# KiCad board amix 68k(r1).kicad_pcb (continued)
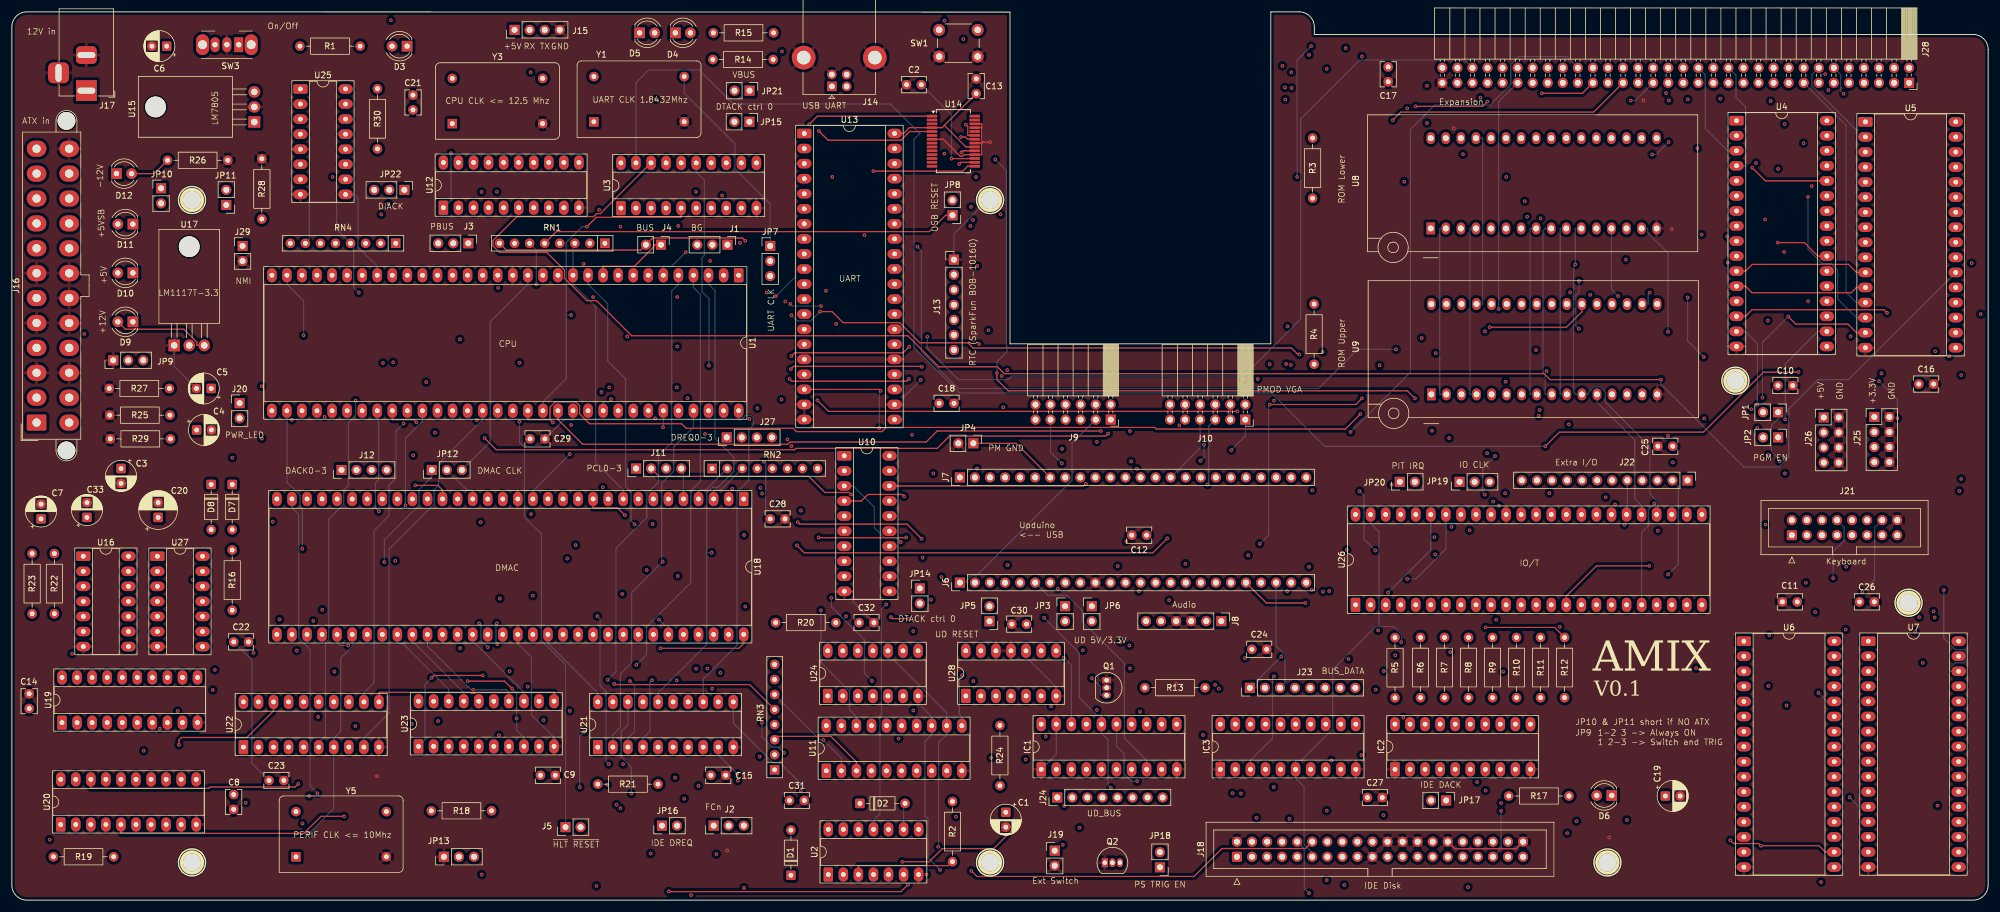
[diagram p0: board, top side]
## Routing (per net, layer and track width the routed paths; a pad name or vN(x,y) marks a point on that pad's centre or on a via; arc(x,y) is an arc through that point) (continued)
D7: length 548.5
  In1.Cu w0.2: 305.74,103.57 304.67,103.57 304.27,103.17 304.27,92.76 311.69,85.33 311.69,59.18 312.81,58.07 312.81,48.13 310.62,45.94 310.62,17.09 309.27,15.74 U6.21 ; 305.74,103.57 U4.21 ; 305.74,103.57 307.67,105.5 307.67,119.27 307,119.94 305.55,119.94 302.25,123.24 v1(302.25,127.7) 302.25,135.33 J28.13 ; U1.62 117.52,79.24 v1(116.93,78.65) ; U19.11 31.32,36.07 33.29,36.07 v1(33.89,35.46) ; J18.18 228.14,8.69 230.05,8.69 230.79,9.43 230.79,13.75 v1(231.37,14.33) ; v1(92.96,78.05) 86.72,71.81 86.72,36.32 v1(87.01,36.02)
  In2.Cu w0.2: 141.58,17.8 139.17,17.8 138.51,18.46 v1(133.1,18.46) ; 141.58,17.8 141.75,17.96 ; 141.58,17.8 141.75,17.96 ; v1(33.89,35.46) 34.73,36.3 70.96,36.3 70.96,36.3 76.12,36.3 76.47,35.94 77.3,35.94 77.65,36.3 86.74,36.3 v1(87.01,36.02) 92.39,36.02 96.48,31.94 100.19,31.94 100.6,31.53 119.2,31.53 119.61,31.94 121.7,31.94 U21.11 ; 141.75,17.96 141.98,18.2 159.77,18.2 161.05,16.92 170.68,16.92 172.7,14.9 214.2,14.9 214.77,14.33 v1(231.37,14.33) 304.5,14.33 305.91,15.74 U6.21 ; U8.21 268.31,128.56 268.31,128.3 269.38,127.24 283.89,127.24 284.09,127.44 289.74,127.44 290,127.7 v1(302.25,127.7) ; v1(92.96,78.05) 93.16,77.85 116.13,77.85 v1(116.93,78.65)
  Bottom w0.2: v1(133.1,18.46) 133.1,19.62 129.61,23.12 128.47,23.12 121.7,29.89 U21.11
D8: length 684.7
  Top w0.2: v1(48.32,19.63) 47.78,19.09 33.45,19.09 33.24,18.88 13.32,18.88 U20.18 ; v1(248.6,46.01) 260.23,46.01 R12.2
  In1.Cu w0.2: U26.44 236.82,61.59 v1(240.09,58.32) 240.45,58.32 248.11,50.66 248.11,46.49 v1(248.6,46.01) 247.16,44.58 v1(247.16,19.93) ; 269.5,85.33 U9.13 269.5,85.33 ; 269.5,85.33 269.07,85.33 269.07,82.98 266.15,80.06 266.15,61.91 263.32,59.08 263.32,45.72 R12.2 ; IC3.9 224.17,20.57 225.77,18.97 225.77,8.53 J18.17 ; v1(100.44,19.47) 101.38,20.42 U21.2 ; U1.61 114.98,84.64 118.92,88.58 118.92,106.28 119.5,106.86 119.5,111.64 121.81,113.94 121.81,117.48 U13.1 ; v1(309.33,45.66) 309.33,18.02 v1(310.01,17.33) ; v1(315.38,88.86) 315.38,99.61 314.17,100.82 U5.13
  In2.Cu w0.2: 270.44,85.33 U9.13 270.44,85.33 ; 270.44,85.33 270.95,85.33 270.95,85.58 275.38,90.01 314.23,90.01 v1(315.38,88.86) ; R12.2 288.14,44.32 289.52,45.71 309.29,45.71 v1(309.33,45.66) ; v1(240.09,58.32) 239.15,57.38 209.18,57.38 208.98,57.18 208.15,57.18 207.95,57.38 191.23,57.38 190.83,57.78 185.97,57.78 185.73,57.55 ; IC3.9 224.17,20.57 224.81,19.93 v1(247.16,19.93) ; 185.73,57.55 185.56,57.38 ; 185.73,57.55 185.56,57.38 ; 185.56,57.38 167.1,57.38 165.76,56.05 110.83,56.05 v1(109.77,57.1) ; v1(100.44,19.47) 100.44,19.61 99.36,20.69 97.99,20.69 96.96,19.66 95.55,19.66 95.38,19.5 48.46,19.5 v1(48.32,19.63)
  Bottom w0.2: U21.2 101.38,27.89 102.65,29.16 102.65,38.15 104.54,40.04 104.54,51.86 v1(109.77,57.1) 109.63,57.24 109.63,70.36 111.65,72.38 111.65,76.44 114.98,79.77 U1.61 ; U7.13 311.66,13.21 311.66,15.69 v1(310.01,17.33) ; J28.15 309.42,130.73 309.42,102.57 311.17,100.82 U5.13
D9: length 713.8
  In1.Cu w0.2: v1(102,16.1) 102,17.23 103.92,19.15 U21.3 ; J18.15 223.07,8.69 223.07,19.13 221.63,20.57 IC3.8 221.63,23.57 225.46,27.41 v1(225.46,40.68) 225.46,55.29 233.73,63.56 234.28,63.56 U26.45 ; U5.14 314.17,98.28 314.72,97.73 314.72,87.78 v1(314.94,87.57) ; v1(302.98,118.64) 300.54,121.09 300.54,137.07 J28.17 ; v1(318.07,81.29) 322.3,77.07 322.3,49.12 321.06,47.88 v1(321.06,45.27) 321.06,17.07 314.66,10.67 U7.14 ; v1(108.52,81.27) 108.52,83.38 107.82,84.08 106.91,84.08 106.25,83.42 106.25,81.07 104.13,78.95 104.13,70.3 104.26,70.17 v1(104.26,36.97) ; U13.2 135.21,125.26 135.21,121.24 134.59,120.62 133.15,120.62 125.75,113.23 v1(125.75,82.97)
  In2.Cu w0.2: v1(321.06,45.27) 320.85,45.06 309.08,45.06 308.84,45.31 290.55,45.31 288.46,43.21 257.87,43.21 ; U1.60 112.44,81.07 ; 112.44,81.07 112.44,81.07 108.72,81.07 v1(108.52,81.27) ; 112.44,81.07 112.44,81.07 117.99,81.07 118.96,82.04 118.96,83.43 119.6,84.07 123.06,84.07 124.15,82.97 v1(125.75,82.97) ; v1(314.94,87.57) 308.09,87.57 304.68,84.16 295.06,84.16 295.02,84.19 280.05,84.19 279.47,83.61 272.42,83.61 271.45,84.59 271.45,85.33 U9.14 ; v1(102,16.1) 81.44,16.1 81.38,16.17 46.84,16.17 44.79,18.22 39.1,18.22 38.36,18.97 36.88,18.97 36.48,18.57 34.96,18.57 34.8,18.73 34.72,18.73 34.35,18.36 34.35,18.22 34.2,18.07 16.67,18.07 15.86,18.88 U20.17 ; v1(104.26,36.97) 104.86,36.37 122.77,36.37 123.04,36.1 154.63,36.1 157.62,39.09 178.19,39.09 178.43,39.33 ; 257.87,43.21 255.34,40.68 v1(225.46,40.68) 225.06,40.28 216.51,40.28 215.93,39.7 213.42,39.7 213.02,40.1 208.68,40.1 208.42,39.84 205.68,39.84 205.42,40.1 184.63,40.1 184.02,39.49 178.6,39.49 ; 257.87,43.21 R11.2 ; 178.43,39.33 178.6,39.49 ; 178.43,39.33 178.6,39.49
  Bottom w0.2: U5.14 311.17,98.28 307.98,101.47 307.98,106.29 306.89,107.38 305.41,107.38 302.98,109.81 v1(302.98,118.64) ; v1(314.94,87.57) 318.07,84.43 v1(318.07,81.29) ; v1(104.26,36.97) 105.04,36.19 105.04,28.44 103.92,27.32 U21.3
D10: length 698.1
  Top w0.2: U5.15 311.17,95.74 309.73,97.18 300.93,97.18 v1(299.66,98.45) ; v1(110.82,1.47) 110.84,1.45 150,1.45 v1(151.16,2.6)
  In1.Cu w0.2: v1(112.25,101.75) 112.85,101.15 112.85,86.32 110.6,84.07 109.9,84.07 U1.59 ; v1(299.66,98.45) 299.66,131.6 297.29,133.98 297.29,137.78 J28.19 ; v1(108.01,37.09) 108.01,42.12 109.34,43.46 109.34,46.32 111.47,48.45 111.47,62.52 111.88,62.93 111.88,70.27 111.53,70.61 111.53,78.08 v1(109.85,79.77) ; v1(110.82,1.47) 106.46,5.83 U21.4 ; U9.15 273.99,85.33 273.99,84.31 271.23,81.55 271.23,70.19 270.44,69.4 v1(270.44,66.75) ; R10.2 253.33,44.81 253.33,56.08 250.84,58.57 v1(250.84,66.56) ; v1(221.79,3.37) 221.79,7.21 J18.13 220.53,8.69 220.53,19.13 219.09,20.57 IC3.7 219.09,23.57 220.36,24.84 220.36,52.18 231.74,63.56 U26.46
  In2.Cu w0.2: U26.46 231.74,66.56 v1(250.84,66.56) 270.24,66.56 v1(270.44,66.75) ; 275.52,85.33 276.03,85.33 276.03,85.12 277.14,84.01 279.14,84.01 279.89,84.76 v1(295.31,84.76) ; 275.52,85.33 U9.15 275.52,85.33 ; v1(151.16,2.6) 152.24,2.6 152.44,2.8 154.8,2.8 155.06,3.07 221.49,3.07 v1(221.79,3.37) 304.65,3.37 304.94,3.66 313.24,3.66 314.66,5.08 314.66,8.13 U7.15 ; U20.16 18.4,18.88 21.43,18.88 22.04,19.49 22.04,20.94 23.8,22.71 76.8,22.71 76.96,22.54 77.04,22.54 77.65,23.15 77.65,23.29 77.91,23.56 101.73,23.56 102.49,24.32 106.46,24.32 U21.4 ; v1(112.25,101.75) 112.4,101.9 v1(128.89,101.9)
  Bottom w0.2: v1(128.89,101.9) 132.17,105.18 132.17,124.26 U13.3 ; v1(109.85,79.77) 109.9,79.82 U1.59 ; v1(108.01,37.09) 107.63,36.72 107.63,28.49 106.46,27.32 U21.4 ; v1(299.66,98.45) 295.31,94.1 v1(295.31,84.76)
D11: length 696.5
  In1.Cu w0.2: U13.4 132.17,121.72 132.17,120.22 124.41,112.46 v1(124.41,81.18) ; U7.17 326.9,5.59 321.71,10.78 321.71,47.68 v1(321.76,47.73) 322.75,48.73 322.75,83.48 325.28,86 325.28,87.77 324.46,88.59 v1(324.46,92.59) ; R9.2 250.39,44.94 v1(250.39,47.31) ; v1(296.23,97.78) 296.35,97.91 296.35,128.56 294.64,130.27 J28.21 ; U1.58 107.36,80.96 106.65,80.25 106.65,70.89 107.08,70.46 v1(107.08,55.69) 107.08,37.17 107.76,36.49 107.99,36.49 110.11,34.37 110.11,28.47 109,27.36 U21.5
  In2.Cu w0.2: R9.2 248.19,42.74 235.16,42.74 v1(234.37,43.52) ; v1(324.46,92.59) 325.79,92.59 326.41,93.2 ; U20.15 20.94,21.88 22.17,23.11 75.38,23.11 76.29,24.01 94.68,24.01 98.03,27.36 108.96,27.36 109,27.32 U21.5 ; v1(124.41,81.18) 123.89,80.66 107.76,80.66 107.36,81.07 U1.58 ; v1(107.08,55.69) 110.63,59.24 134.99,59.24 136.74,60.99 149.68,60.99 151.82,63.13 228.77,63.13 229.2,63.56 U26.47 ; 326.41,93.2 325.14,94.47 311.71,94.47 308.88,97.3 296.71,97.3 v1(296.23,97.78) 295.79,97.34 281.8,97.34 278.57,100.57 278.06,100.57 ; 326.41,93.2 U5.17 ; v1(321.76,47.73) 321.34,47.31 282.23,47.31 282.03,47.11 250.59,47.11 v1(250.39,47.31) ; 278.06,100.57 U9.17 278.06,100.57
  Bottom w0.2: 230.61,46.15 230.09,46.15 222.81,38.88 222.81,28.85 217.53,23.57 216.55,23.57 IC3.6 216.55,20.57 217.99,19.13 217.99,9.38 219.36,8.01 J18.11 ; 230.61,46.15 230.61,62.14 229.2,63.56 U26.47 ; 230.61,46.15 233.07,46.15 234.45,44.77 234.45,43.59 v1(234.37,43.52)
D12: length 733.2
  In1.Cu w0.2: v1(115.39,119.51) 116.54,118.36 116.54,114.73 113.48,111.66 113.48,109.99 111.27,107.78 111.27,90.52 104.82,84.07 U1.57 ; v1(96.58,28.42) 96.58,38.33 94.35,40.56 94.35,72.81 93.49,73.67 93.49,75.54 94.35,76.4 v1(94.35,80.16) ; J18.9 215.51,8.63 v1(215.51,13.73) 215.51,19.07 214.01,20.57 IC3.5 214.01,23.57 217.82,27.38 217.82,49.68 217.61,49.89 217.61,50.39 217.96,50.74 218.51,50.74 219.87,52.1 219.87,52.34 226.66,59.13 U26.48 226.66,66.56 234.75,66.56 235.55,65.76 235.55,61.72 245.72,51.55 R8.2 ; v1(276.27,102.5) 279.27,105.51 279.27,126.84 280.13,127.69 280.13,134.3 v1(279.51,134.92) ; U7.18 329.9,8.13 329.9,11.15 329.16,11.88 327.73,11.88 325.87,13.74 325.87,18.28 324.84,19.31 324.84,46.98 328.52,50.66 v1(328.52,69.05) 328.22,69.34 328.22,89.31 329.41,90.5 329.41,95.74 U5.18 ; v1(268.85,67.96) 268.77,68.04 268.77,81.84 271.4,84.48 271.4,96.72 273.99,99.31 273.99,100.57 U9.18 ; U21.6 111.54,21.01 v1(111.88,20.67)
  In2.Cu w0.2: v1(94.35,80.16) 103.91,80.16 104.82,81.07 U1.57 ; v1(215.51,13.73) 210.98,13.73 210.21,14.5 172.4,14.5 170.38,16.52 160.88,16.52 159.6,17.8 142.35,17.8 140.21,15.66 121.04,15.66 116.03,20.67 v1(111.88,20.67) 109.62,18.42 104.93,18.42 104.76,18.59 104.26,18.59 104.09,18.42 96.44,18.42 v1(95.8,19.06) 95.79,19.07 48.62,19.07 48.57,19.03 39.68,19.03 38.94,19.77 36.35,19.77 36.01,19.43 35.24,19.43 35.09,19.57 34.43,19.57 33.73,18.88 28.09,18.88 27.29,19.68 27.29,21.13 26.53,21.89 24.99,21.89 U20.14 ; v1(279.51,134.92) 279.99,134.92 ; v1(279.51,134.92) 279.99,134.92 ; v1(279.51,134.92) 279.99,134.92 ; 279.99,134.92 281.29,134.92 281.73,134.48 282.96,134.48 283.41,134.94 283.41,135.06 283.78,135.44 287.4,135.44 288.03,136.07 290.29,136.07 J28.23 ; U26.48 226.66,66.56 227.51,67.41 248.88,67.41 249.42,67.95 268.83,67.95 v1(268.85,67.96) 327.43,67.96 v1(328.52,69.05) ; v1(115.39,119.51) 115.79,119.91 131.44,119.91 132.17,119.18 U13.5
  Bottom w0.2: v1(276.27,102.5) 276.03,102.26 276.03,100.57 275.52,100.57 ; 275.52,100.57 U9.18 275.52,100.57 ; v1(96.58,28.42) 95.8,27.64 v1(95.8,19.06)
D13: length 698.8
  In1.Cu w0.2: U7.19 326.9,10.67 325.47,12.1 325.47,16.17 324.34,17.3 v1(324.34,47.69) 326.97,50.31 326.97,90.06 326.79,90.23 ; IC3.4 211.47,20.57 212.86,19.18 v1(212.86,19.06) 212.91,19.01 212.91,8.69 J18.7 ; U5.19 326.41,98.28 326.41,90.61 326.79,90.23 ; 326.79,90.23 326.81,90.26 v1(326.81,91.76) ; v1(282.68,101.67) 282.71,101.7 v1(282.71,135.09) ; U21.7 114.08,24.32 113.41,23.65 v1(113.41,17.12) ; v1(242.64,41.86) 241.67,42.83 R7.2 ; v1(126.15,24.23) 125.16,25.22 125.16,69.87 126.01,70.73 127.8,70.73 129.55,72.48 129.55,84.2 v1(129.82,84.47) 126.72,87.56 126.72,108.28 127.41,108.97 128.67,108.97 132.17,112.47 132.17,116.64 U13.6 ; v1(222.59,23.57) 227.87,28.85 227.87,48.61 U26.1
  In2.Cu w0.2: v1(222.59,23.57) 211.47,23.57 IC3.4 ; v1(242.64,41.86) 253.78,41.86 257.43,45.51 282.12,45.51 282.94,46.32 322.97,46.32 v1(324.34,47.69) ; v1(285.4,91.64) 285.52,91.76 v1(326.81,91.76) ; U20.13 26.02,18.88 26.42,18.48 33.9,18.48 33.95,18.52 34.6,19.17 34.93,19.17 35.13,18.97 36.12,18.97 36.52,19.37 38.69,19.37 39.44,18.63 48.74,18.63 48.74,18.63 95.38,18.63 96.5,17.51 102.58,17.51 102.79,17.3 113.23,17.3 v1(113.41,17.12) ; v1(282.68,101.67) 282.46,101.9 277.08,101.9 276.68,101.49 275.85,101.49 275.45,101.9 274.6,101.9 273.49,100.78 273.49,100.57 U9.19 ; 205.32,19.49 205.19,19.36 ; 205.32,19.49 205.56,19.73 212.19,19.73 v1(212.86,19.06) ; 205.32,19.49 205.19,19.36 ; 205.19,19.36 185.82,19.36 185.65,19.53 168.96,19.53 167.64,18.2 162.2,18.2 161,19.41 145.41,19.41 143.74,21.07 143.74,22.52 142.94,23.32 127.05,23.32 v1(126.15,24.23) 125.15,24.23 123.73,25.65 123.73,25.75 122.16,27.32 114.08,27.32 U21.7 ; U1.56 102.28,84.07 103.08,84.88 113.33,84.88 113.73,85.28 129.01,85.28 v1(129.82,84.47) ; R7.2 238.47,47.51 228.96,47.51 U26.1 ; J28.25 289,137.88 286.95,135.84 283.46,135.84 v1(282.71,135.09)
  Bottom w0.2: v1(285.4,91.64) 282.68,94.36 v1(282.68,101.67)
D14: length 672.9
  In1.Cu w0.2: v1(261.12,46.11) 261.12,76.26 268.52,83.66 268.52,99.47 268.91,99.86 268.91,100.57 U9.20 269.93,103.54 278.87,112.48 278.87,135.96 v1(279.05,136.14) ; U21.8 116.62,20.08 v1(115.83,19.29) ; 233.1,42.92 231.43,41.24 v1(231.43,38.65) ; 233.1,42.92 236.22,42.92 R6.2 ; 233.1,42.92 231.93,44.08 231.93,45.01 229.2,47.74 U26.2 ; J18.5 210.37,8.69 210.37,13.49 v1(209.96,13.9) 208.93,14.93 IC3.3 ; v1(98.78,47.91) 98.78,65.53 99.18,65.94 99.18,69.27 99.03,69.43 99.03,80.35 99.74,81.07 U1.55 ; U7.20 329.9,13.21 331.32,14.63 331.32,47.01 331.42,47.11 331.42,47.11 332.05,47.74 332.05,72.27 331.42,72.91 331.42,87.48 332.36,88.43 332.36,88.44 332.36,88.44 332.36,88.51 332.37,88.52 332.37,98.63 v1(332.12,98.87) ; v1(101.09,84.51) 101.49,84.91 101.49,96.48 108.63,103.62 108.63,106.24 112.41,110.03 v1(112.41,113.75)
  In2.Cu w0.2: v1(212.89,37.75) 230.52,37.75 v1(231.43,38.65) ; U20.12 28.56,21.88 28.98,22.3 76.63,22.3 76.83,22.1 77.17,22.1 78.1,23.03 100.61,23.03 v1(100.69,22.96) 101.78,22.96 102.74,23.92 116.22,23.92 116.62,24.32 U21.8 ; U13.7 112.76,114.1 v1(112.41,113.75) ; v1(279.05,136.14) 279.15,136.24 ; v1(279.05,136.14) 279.15,136.24 ; v1(279.05,136.14) 279.15,136.24 ; 279.15,136.24 285.38,136.24 J28.27 ; v1(332.12,98.87) 331.97,98.87 330.02,100.82 U5.20 326.41,100.82 325.28,99.69 285.91,99.69 283.31,102.3 276.92,102.3 276.87,102.25 276.52,101.9 276.02,101.9 275.67,102.25 275.62,102.3 272.43,102.3 270.95,100.82 270.95,100.57 U9.20 ; R6.2 238.75,43.19 246.65,43.19 249.57,46.11 v1(261.12,46.11) ; v1(209.96,13.9) 171.59,13.9 169.56,15.92 164.48,15.92 163.77,15.21 119.91,15.21 v1(115.83,19.29)
  Bottom w0.2: v1(101.09,84.51) 100.65,84.07 99.74,84.07 U1.55 ; v1(100.69,22.96) 100.25,23.39 100.25,35.17 99.23,36.2 99.23,47.45 v1(98.78,47.91) ; IC3.3 208.93,23.57 212.65,27.29 212.65,37.5 v1(212.89,37.75)
D15: length 691.2
  In1.Cu w0.2: U26.3 231.74,45.88 233.32,44.3 ; J28.29 283.21,139.15 283.21,140.87 282.1,141.98 276.73,141.98 275.71,140.97 275.71,137.61 274.61,136.51 273.84,136.51 268.41,131.08 268.41,100.57 267.9,100.57 ; 267.9,100.57 U9.21 267.9,100.57 ; v1(208.01,40.85) 207.54,40.38 207.54,24.72 206.39,23.57 IC3.2 206.39,20.94 207.34,19.99 v1(207.34,17.99) 207.83,17.5 207.83,8.69 J18.3 ; v1(324.84,15.95) 323.71,17.09 323.71,48.24 v1(324.16,48.7) 326.55,51.08 326.55,89.56 326,90.12 326,102.95 326.41,103.36 U5.21 ; v1(103.1,22.95) 102.65,23.4 102.65,34.15 101.15,35.66 100.61,35.66 96.9,39.37 96.9,80.77 97.2,81.07 U1.54 97.2,100.88 v1(98.05,101.74) ; U13.8 132.17,111.56 130.46,109.85 v1(130.46,100.99)
  In2.Cu w0.2: U21.9 116.29,22.95 v1(103.1,22.95) 102.5,22.35 94.53,22.35 94.25,22.63 79.4,22.63 78.47,21.7 76.67,21.7 76.49,21.88 31.1,21.88 U20.11 ; 233.32,44.3 219.19,44.3 215.39,40.5 213.85,40.5 213.45,40.9 208.06,40.9 v1(208.01,40.85) ; v1(207.34,17.99) 206.66,18.67 205.69,18.67 205.54,18.52 186.02,18.52 185.81,18.31 184.71,18.31 184.5,18.51 170.45,18.51 169.74,17.8 161.47,17.8 160.27,19 140.7,19 139.53,20.17 123.52,20.17 v1(122.36,21.32) ; v1(98.05,101.74) 98.8,100.99 v1(130.46,100.99) ; v1(324.16,48.7) 322.38,46.91 282.39,46.91 282.19,46.71 240.19,46.71 238.58,48.32 231.74,48.32 U26.3 ; U5.21 326.41,103.36 325.27,102.22 284.72,102.22 283.44,103.5 271.08,103.5 268.41,100.83 268.41,100.57 U9.21 ; U7.21 325.04,15.75 v1(324.84,15.95)
  Bottom w0.2: U21.9 119.16,24.32 119.37,24.32 v1(122.36,21.32)
DMAC_A8/D0: length 93.3
  In1.Cu w0.2: v1(75.63,42.51) 74.95,41.83 74.95,28.71 73.68,27.44 U23.3
  In2.Cu w0.2: U18.48 82.59,44.82 81.09,43.32 76.44,43.32 v1(75.63,42.51) ; U19.2 11,28.45 15.53,23.92 73.16,23.92 73.68,24.44 U23.3
DMAC_A9/D1: length 88.4
  In1.Cu w0.2: U23.4 76.22,27.44 80.04,31.26 80.04,42.05 79.67,42.42 79.67,42.92 80.07,43.32 80.27,43.32 U18.47
  In2.Cu w0.2: 37.84,27.82 75.85,27.82 76.22,27.44 U23.4 ; 37.84,27.82 37.7,27.68 ; 37.84,27.82 37.7,27.68 ; 37.7,27.68 36.84,26.82 25.2,26.82 ; 25.06,26.68 25.2,26.82 ; 25.06,26.68 15.31,26.68 13.54,28.45 U19.3 ; 25.06,26.68 25.2,26.82
DMAC_A10/D2: length 102.1
  In1.Cu w0.2: U23.7 83.84,27.44 82.63,28.65 82.63,35.25 81.3,36.58 81.3,43.46 81.41,43.57 81.41,45.65 80.73,46.32 79.3,46.32 79.08,46.1 78.58,46.1 78.35,46.32 77.73,46.32 U18.46
  In2.Cu w0.2: U23.7 83.84,24.44 80.8,24.44 80.03,25.21 80.03,26.77 77.86,28.94 59.9,28.94 58.83,30.02 55.51,30.02 53.73,28.24 37.7,28.24 36.67,27.22 17.31,27.22 16.08,28.45 U19.4
DMAC_A11/D3: length 97.2
  Top w0.2: v1(84.38,35.68) 83.11,36.95 v1(76.88,36.95)
  In1.Cu w0.2: v1(76.88,36.95) 76.23,37.6 76.23,42.76 75.67,43.32 75.19,43.32 U18.45
  In2.Cu w0.2: U19.5 18.62,28.45 19.45,27.62 33.52,27.62 34.92,29.03 53.66,29.03 55.45,30.81 85,30.81 v1(85.14,30.67)
  Bottom w0.2: v1(84.38,35.68) 85.14,34.92 v1(85.14,30.67) 85.14,28.68 86.38,27.44 U23.8
DMAC_A12/D4: length 90.2
  In2.Cu w0.2: U23.13 86.38,32.06 85.81,31.49 55.46,31.49 54.3,30.32 34.66,30.32 32.39,28.05 21.56,28.05 21.16,28.45 U19.6
  Bottom w0.2: U23.13 86.38,35.06 78.12,43.32 72.65,43.32 U18.44
DMAC_A13/D5: length 78.8
  In2.Cu w0.2: 38.4,35.73 38.56,35.89 ; 38.4,35.73 38.56,35.89 ; 38.4,35.73 37.93,35.26 34.54,35.26 34.14,34.86 33.64,34.86 33.24,35.26 33.12,35.26 ; 38.56,35.89 69.96,35.89 70.16,35.69 76.15,35.69 76.35,35.49 v1(77.81,35.49) ; 32.95,35.1 32.72,34.86 27.11,34.86 23.7,31.45 U19.7 ; 32.95,35.1 33.12,35.26 ; 32.95,35.1 33.12,35.26
  Bottom w0.2: U23.14 83.84,35.06 83.41,35.49 v1(77.81,35.49) 77.48,35.49 70.11,42.87 U18.43
DMAC_A14/D6: length 70.1
  In2.Cu w0.2: 38.58,35.34 69.95,35.34 70.23,35.06 76.22,35.06 U23.17 ; 38.58,35.34 38.56,35.33 ; 38.58,35.34 38.56,35.33 ; 33.12,34.7 32.89,34.46 29.25,34.46 26.24,31.45 U19.8 ; 33.12,34.7 33.18,34.76 ; 33.12,34.7 33.18,34.76 ; 33.18,34.76 33.48,34.46 37.7,34.46 38.56,35.33
  Bottom w0.2: U23.17 76.22,35.06 67.96,43.32 67.57,43.32 U18.42
DMAC_A15/D7: length 63.6
  In2.Cu w0.2: U19.9 28.78,31.45 45.47,31.45 45.61,31.59 55,31.59 ; 55.06,31.66 55.3,31.89 73.51,31.89 73.68,32.06 U23.18 ; 55.06,31.66 55,31.59 ; 55.06,31.66 55,31.59
  Bottom w0.2: U18.41 65.03,43.32 65.95,43.32 73.68,35.58 U23.18
DMAC_A16/D8: length 86.1
  In1.Cu w0.2: 40.49,24.32 44.14,24.32 U22.3 ; 40.49,24.32 40.49,17.49 v1(39.44,16.44) ; 40.49,24.32 40.49,41.45 v1(40.75,41.71)
  In2.Cu w0.2: v1(39.44,16.44) 12.96,16.44 10.78,14.26 U20.2 ; U18.40 62.49,43.32 60.68,41.51 55.73,41.51 55.67,41.56 53.18,41.56 53.12,41.51 40.95,41.51 v1(40.75,41.71)
DMAC_A17/D9: length 74.6
  In1.Cu w0.2: v1(22.24,25.2) 19.72,22.68 19.72,19.68 14.29,14.26 13.32,14.26 U20.3 ; v1(48.06,42.11) 48.06,28.7 46.68,27.32 U22.4
  In2.Cu w0.2: U22.4 46.68,27.32 46.67,27.33 37.92,27.33 ; v1(22.24,25.2) 35.79,25.2 37.87,27.28 ; v1(48.06,42.11) 57.05,42.11 57.25,41.91 ; U18.39 59.95,43.32 58.56,41.93 57.27,41.93 ; 57.27,41.93 57.25,41.91 ; 57.27,41.93 57.25,41.91 ; 37.87,27.28 37.92,27.33 ; 37.87,27.28 37.92,27.33
DMAC_A18/D10: length 73
  In2.Cu w0.2: 42.73,10.69 16.43,10.69 15.86,11.26 U20.4 ; 42.73,10.69 42.89,10.85 ; 42.73,10.69 42.89,10.85 ; 42.89,10.85 49.69,10.85 v1(50.1,11.26)
  Bottom w0.2: U18.38 57.41,42.78 55.48,40.85 55.48,28.5 54.3,27.32 U22.7 54.3,15.46 v1(50.1,11.26)
DMAC_A19/D11: length 76
  Top w0.2: v1(56.05,14.14) 52.13,14.14 49.25,11.26 18.4,11.26 U20.5
  In1.Cu w0.2: v1(56.05,14.14) 56.84,14.93 U22.8 56.84,27.32 60.52,31 60.52,39.19 v1(56.74,42.96)
  Bottom w0.2: v1(56.74,42.96) 55.33,42.96 54.87,43.42 U18.37
DMAC_A20/D12: length 67.3
  In1.Cu w0.2: U18.36 52.33,43.32 56.84,38.81 U22.13 56.84,28.07 55.67,26.9 55.67,19.57 v1(49.02,12.92)
  In2.Cu w0.2: v1(49.02,12.92) 47.36,11.26 20.94,11.26 U20.6
DMAC_A21/D13: length 68.9
  In1.Cu w0.2: U22.14 54.3,34.94 53.83,34.94 52.86,33.97 52.86,32.58 52.22,31.94 51.66,31.94 ; 24.69,18.68 24.86,18.51 ; 24.69,18.68 24.86,18.51 ; 24.69,18.68 23.22,18.68 22.38,19.52 22.38,21.24 24.97,23.83 v1(24.97,28.94) ; 24.86,18.51 24.86,15.64 23.48,14.26 U20.7 ; 51.66,31.94 v1(51.66,30.93) ; 51.66,31.94 51.3,31.94 50.66,32.58 50.66,42.45 49.79,43.32 U18.35
  In2.Cu w0.2: v1(51.66,30.93) 34.5,30.93 32.02,28.45 25.46,28.45 v1(24.97,28.94)
DMAC_A22/D14: length 51.8
  In1.Cu w0.2: v1(27.97,31.91) 27.46,31.4 27.46,29.07 26.72,28.34 26.72,23.32 24.91,21.51 24.91,19.23 26.02,18.12 U20.8 ; U22.17 46.68,42.75 47.25,43.32 U18.34
  In2.Cu w0.2: U22.17 45.15,31.91 v1(27.97,31.91)
DMAC_A23/D15: length 47.8
  Top w0.2: v1(28.19,26.21) 28.19,27.04 28.6,27.44 39.65,27.44 44.14,31.94 U22.18
  In1.Cu w0.2: U20.9 28.56,14.26 27.45,15.37 27.45,26.3 28.19,27.04 v1(28.19,26.21) ; U18.33 44.71,43.32 44.14,42.75 U22.18
DMAC_PCL0: length 5.3
  In1.Cu w0.2: J11.1 105.3,71.67 105.67,71.3 U18.8
DMAC_PCL1: length 222.8
  Top w0.2: J11.2 109.16,71.5 134.41,71.5 137.13,68.78 141.23,68.78 v1(141.57,68.43)
  In1.Cu w0.2: v1(227.75,142.33) 221.98,136.57 221.98,71.76 v1(219.37,69.14) ; U18.7 108.21,69.18 107.84,69.55 J11.2
  In2.Cu w0.2: v1(141.57,68.43) 141.91,68.77 218.99,68.77 v1(219.37,69.14) ; J28.54 251.9,142.53 228.06,142.53 227.86,142.33 v1(227.75,142.33)
DMAC_PCL2: length 5.3
  In1.Cu w0.2: U18.6 110.75,72.45 J11.3
DMAC_PCL3: length 5.3
  Bottom w0.2: U18.5 113.29,72.45 J11.4
DV_CLK: length 21.2
  In1.Cu w0.2: J10.6 204.26,82.34 205.91,82.34 206.8,81.45 206.8,80.19 207.75,79.24 210.42,79.24 J7.24
DV_DE: length 20.9
  In1.Cu w0.2: J7.23 211.8,75.32 209.63,75.32 204.26,80.7 204.26,81.49 203.41,82.34 201.72,82.34 J10.8
E: length 249.8
  In1.Cu w0.2: J28.55 248.96,135.38 v1(247.72,135.38) ; v1(112.24,93.4) 112.17,93.33 v1(112.17,86.5) ; v1(207.7,87.83) 208.22,87.32 211.42,87.32 212.51,88.41 212.51,89.76 214.42,91.67 214.42,96.13 214.19,96.35 214.19,97.21 214.92,97.93 214.92,120.78 214.61,121.1 214.61,122.92 214.92,123.24 214.92,133.83 214.56,134.18 214.56,134.81 v1(214.82,135.07) ; v1(75.57,94.62) 74.34,95.85 U1.20 74.34,106.93 74.46,107.05 J3.2
  In2.Cu w0.2: v1(214.82,135.07) 214.92,135.07 215.23,135.38 v1(247.72,135.38) ; v1(75.57,94.62) 76.78,93.4 v1(112.24,93.4) ; v1(112.17,86.5) 131.37,86.5 132.83,85.04 168.38,85.04 171.17,87.83 v1(207.7,87.83)
FC0: length 426.7
  In1.Cu w0.2: v1(215.88,137.02) 215.92,136.98 215.92,135.51 215.87,135.46 215.87,123.05 215.41,122.59 215.41,121.43 215.87,120.97 215.87,97.46 v1(215.2,96.79) ; U1.28 54.02,103.93 45.17,95.07 45.17,69.64 44.71,69.18 U18.32 44.71,65.61 45.83,64.49 45.83,43.57 45.58,43.31 45.58,24.15 50.15,19.57 v1(50.15,17.59) ; v1(139.05,97.22) 139.05,101.09 v1(137.33,102.81) ; v1(82.03,103.3) 80.86,104.48 80.86,111.39 82.95,113.48 U12.5
  In2.Cu w0.2: v1(215.2,96.79) 215.2,94.6 214.17,93.57 212.93,93.57 212.62,93.26 168.12,93.26 167.77,93.61 167.77,93.96 164.99,96.74 156.48,96.74 155.77,97.45 139.28,97.45 v1(139.05,97.22) ; U1.28 54.02,103.93 54.65,103.3 v1(82.03,103.3) 82.11,103.22 127.94,103.22 128.35,102.81 v1(137.33,102.81) ; J2.1 117.11,12.57 112.78,16.9 102.62,16.9 102.41,17.11 50.64,17.11 v1(50.15,17.59) ; v1(215.88,137.02) 216.58,136.32 247.36,136.32 J28.57
FC1: length 449.7
  In1.Cu w0.2: v1(186.53,56.36) 186.53,53.15 186.42,53.03 186.42,33.81 184.93,32.32 184.93,27.84 180.09,23.01 v1(180.09,12.22) ; v1(218.81,56.23) 220.17,57.59 220.17,69.24 222.44,71.51 222.44,123.8 240.68,142.04 243.89,142.04 245.23,140.7 245.23,139.04 J28.59 ; U1.27 56.56,103.93 47.82,95.19 47.82,69.75 47.25,69.18 U18.31
  In2.Cu w0.2: v1(186.53,56.36) 186.73,56.16 218.74,56.16 v1(218.81,56.23) ; U12.6 85.49,115.32 84.05,113.88 70.57,113.88 64.55,107.86 57.49,107.86 56.56,106.93 U1.27 ; v1(180.09,12.22) 179.06,11.18 157.77,11.18 154.67,14.28 122.63,14.28 J2.2 119.77,11.42 117.4,11.42 112.32,16.5 102.45,16.5 102.25,16.7 101.75,16.7 101.55,16.5 81.61,16.5 81.54,16.57 50.27,16.57 49.51,17.33 49.51,17.79 49.91,18.19 51.38,18.19 v1(51.54,18.03)
  Bottom w0.2: v1(51.54,18.03) 50.32,19.24 50.32,42.3 48.39,44.23 48.39,65.03 47.25,66.18 U18.31
FC2: length 405.9
  In1.Cu w0.2: J28.61 242.57,139.15 242.57,140.79 241.76,141.61 240.83,141.61 223.24,124.03 223.24,56.34 v1(219.27,52.36) ; U18.30 49.79,69.18 50.25,69.64 50.25,95.07 59.1,103.93 U1.26 ; J2.3 124.57,13.68 124.57,48.68 v1(123.72,49.53) 123.72,61.39 v1(123.52,61.59)
  In2.Cu w0.2: 154.29,48.74 154.45,48.9 ; 154.29,48.74 154.05,48.5 150.59,48.5 150.35,48.74 146.3,48.74 145.75,49.29 138.19,49.29 137.58,49.89 124.08,49.89 v1(123.72,49.53) ; 154.29,48.74 154.45,48.9 ; 154.45,48.9 159,48.9 161.37,51.28 ; 161.41,51.31 218.22,51.31 v1(219.27,52.36) ; 161.41,51.31 161.37,51.28 ; 161.41,51.31 161.37,51.28 ; U18.30 49.79,66.18 54.38,61.59 v1(123.52,61.59) ; U1.26 59.1,106.93 64.47,106.93 70.82,113.28 85.99,113.28 88.03,115.32 U12.7
IO/~{M}: length 127.4
  In1.Cu w0.2: 142.54,77.04 142.54,48.87 141.44,47.77 141.44,30.56 141.2,30.32 141.2,25.63 U11.1 ; 142.54,77.04 142.52,77.06 ; 142.54,77.04 142.52,77.06 ; 142.52,77.06 142.52,98.52 142.37,98.67 ; v1(138.4,122.02) 138.4,102.64 142.21,98.83 ; 142.21,98.83 142.37,98.67 ; 142.21,98.83 142.37,98.67
  In2.Cu w0.2: U3.13 120.52,122.88 121.02,122.88 121.96,123.82 121.96,125.24 122.6,125.88 126.06,125.88 129.06,122.88 137.53,122.88 v1(138.4,122.02)
IRQ_UART: length 98.1
  In1.Cu w0.2: 146.37,66.04 146.54,65.87 ; 146.37,66.04 146.13,66.27 146.13,66.61 145.73,67.01 145.73,79.91 146.09,80.26 146.09,80.35 148.22,82.49 149.92,82.49 151.09,83.66 151.09,87.3 150.72,87.67 150.72,89.63 150.87,89.79 150.87,93.03 150.78,93.12 150.78,102.06 U13.30 ; 146.37,66.04 146.54,65.87 ; 146.54,65.87 146.54,51.25 147.49,50.29 v1(147.49,49.89)